# Altium PCB cheriot-test.PcbDoc (part 4 of 10)
Units mil, origin at the board's own origin, x right, y up, seen from the top; angles counter-clockwise.
Board outline 4921.26 x 3149.61 mil, 8 copper layers (Top Layer, Int1 (Sign), Int2 (GND), Int3 (Sign), Int4 (Sign), Int5 (PWR), Int6 (Sign), Bottom Layer), stack 60.424 mil thick; 468 components, 516 nets, 2293 pads, 1328 vias.
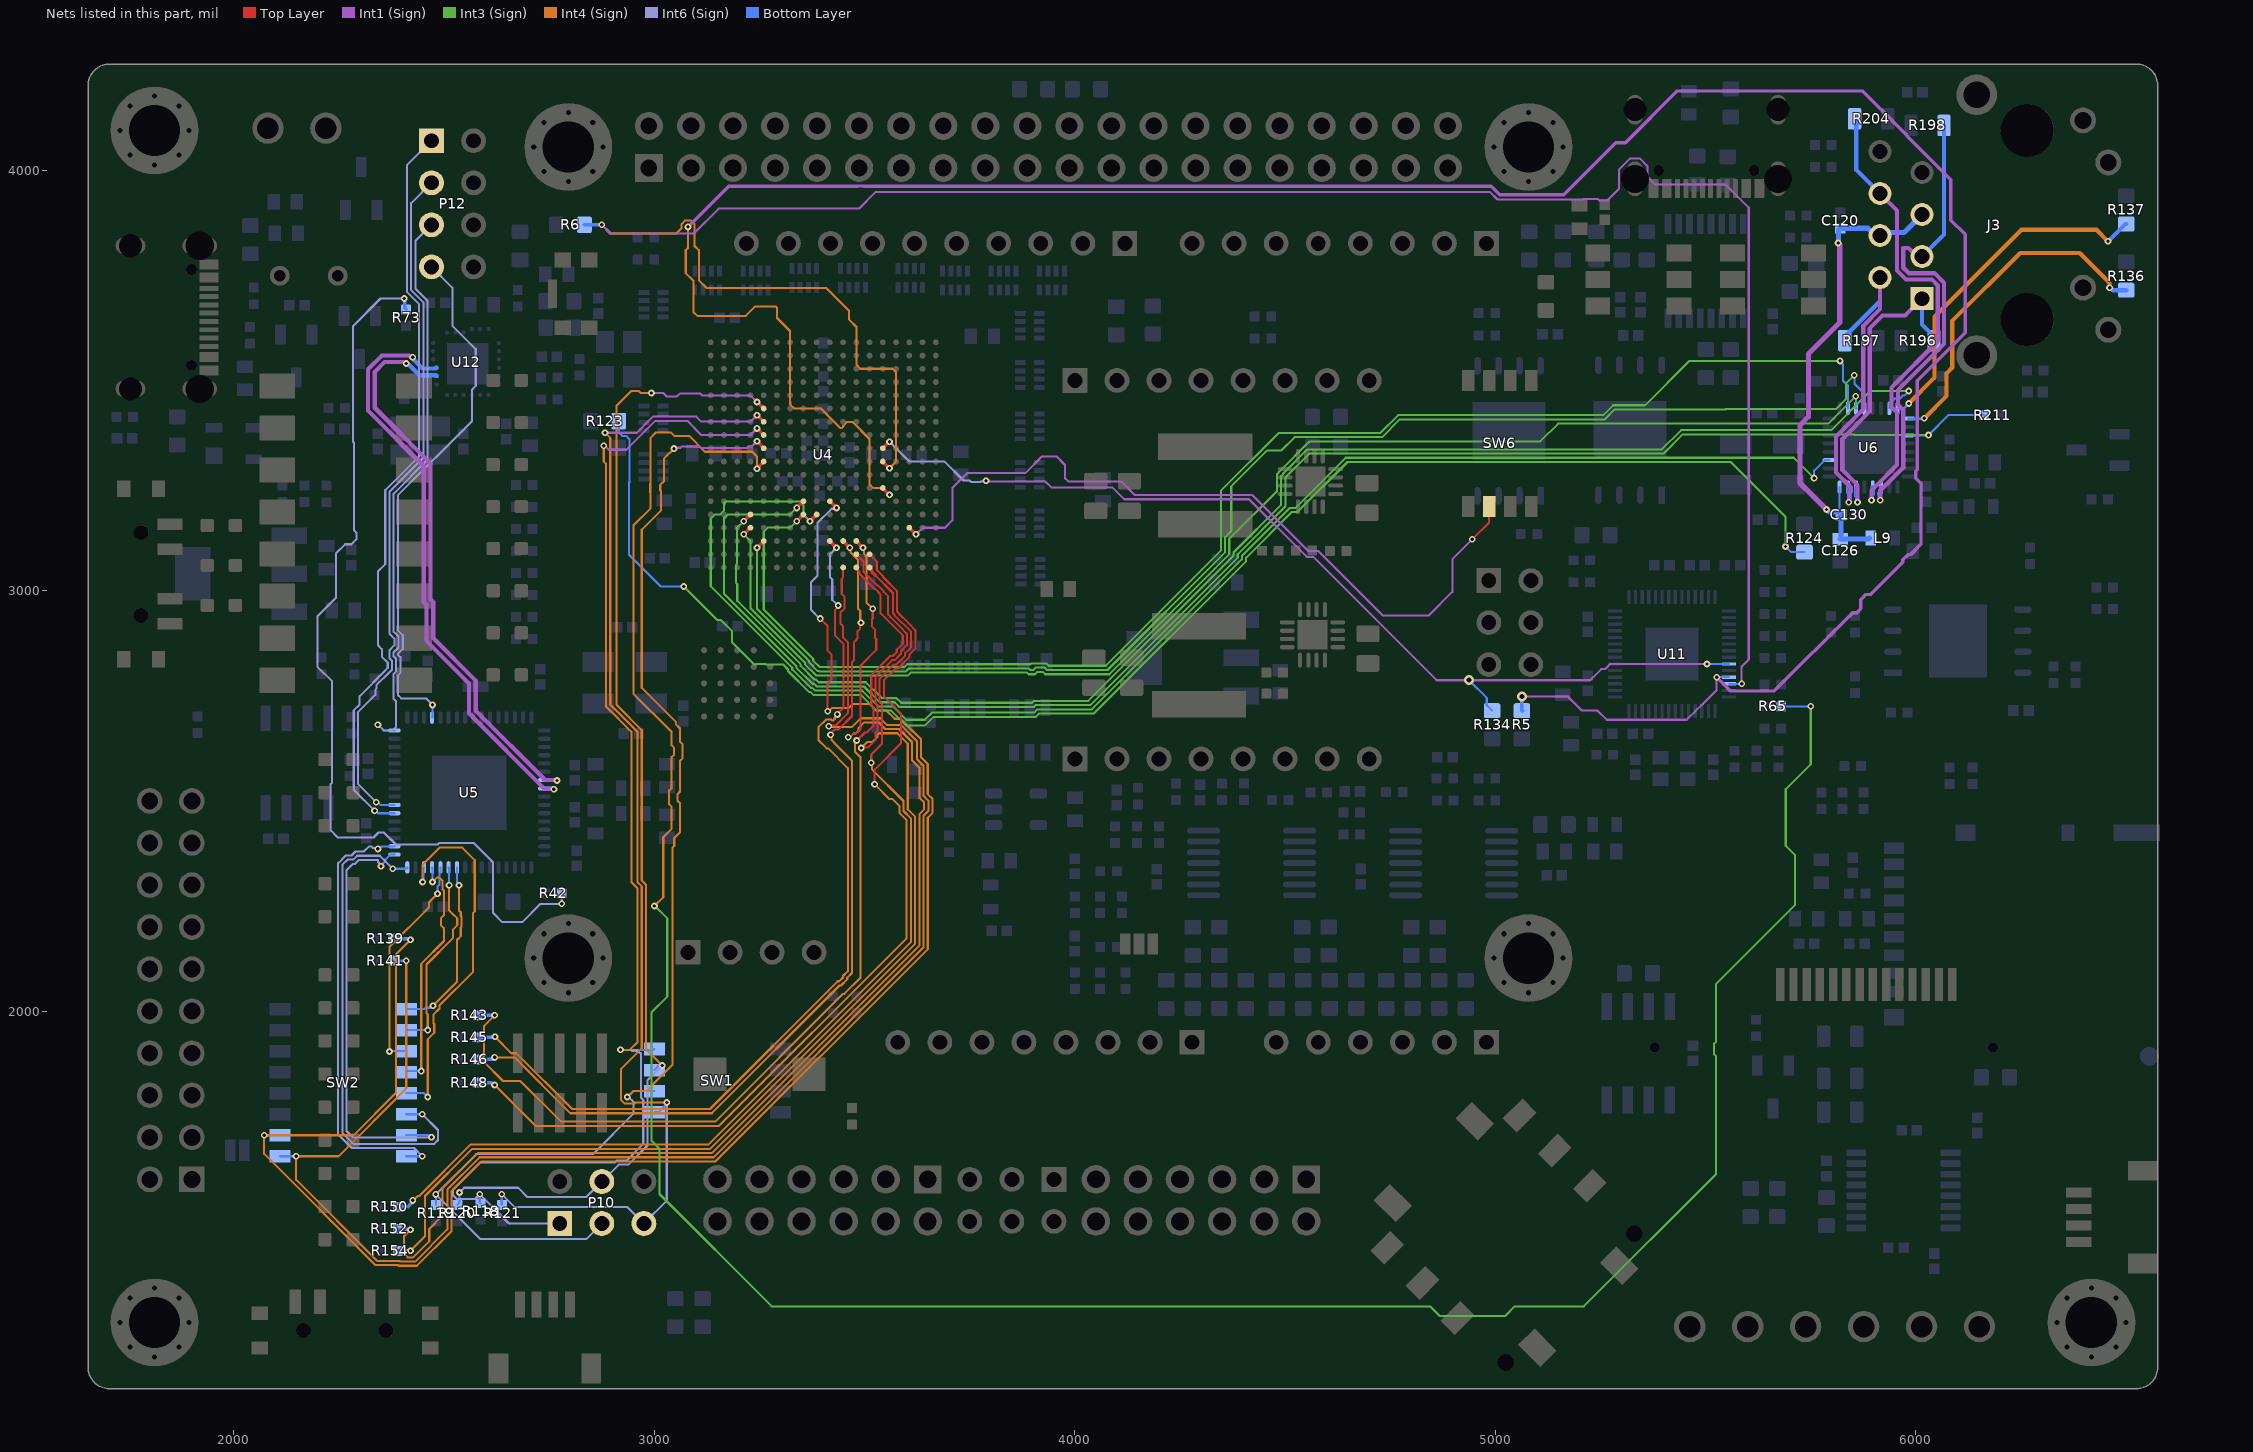
[diagram p10: the nets of this part, all layers, seen from the top]

## Via types
v1: diameter 16, hole 8, Top Layer to Bottom Layer, tented both sides, 1207 vias
v2: diameter 24, hole 12, Top Layer to Bottom Layer, tented both sides, 105 vias
v3: diameter 23.62, hole 11.81, Top Layer to Bottom Layer, tented both sides, 16 vias

## Nets (pads, with @x,y where several pads share a name; then routed paths per layer and width w, separated by ;. In a path a pad name is that pad's centre, name@x,y a point inside that pad or via, vN(x,y) a via of type N, cw(c..) or ccw(c..) an arc to the next point about the centre after c; other vN are vias at no path point) (continued)
CHB_GPIOL2: SW2.7 U5.33 | length 1039.6
  Int6 (Sign) w5: v1(2349.81,2344.81) 2349.81,2347.78 2342.69,2354.9 2342.69,2359.61 2297.37,2359.61 2288.01,2350.26 2283.23,2350.26 2267.96,2335 2267.96,1714.96 2282.93,1700 v1(2470,1700)
  Bottom Layer w5: v1(2349.81,2344.81) 2349.81,2346.63 2359.86,2356.68 2359.86,2360.21 2372.01,2372.36 U5.33@2381.85,2372.36 ; SW2.7@2410,1705 2465,1705 v1(2470,1700)
CHB_GPIOL3: SW2.8 U5.34 | length 1060.5
  Int6 (Sign) w5: v1(2342.52,2385.83) 2340.41,2387.93 2330.81,2387.93 2326.69,2392.05 2321.69,2392.05 2309.26,2379.61 2289.08,2379.61 2279.73,2370.26 2266.12,2370.26 2247.96,2352.11 2247.96,1706.68 2280.14,1674.5 2428.5,1674.5 v1(2448,1655)
  Bottom Layer w5: v1(2342.52,2385.83) 2345.5,2385.83 2351.72,2392.05 U5.34@2381.85,2392.05 ; SW2.8@2410,1655 v1(2448,1655)
CHB_nRST: SW2.5 U5.30 | length 896.6
  Int4 (Sign) w5: v1(2448.82,2307.09) 2448.82,2348.9 2488.92,2389 2543,2389 2572.79,2359.21 2572.79,2237.52 2569,2233.73 2569,2094 2489,2014 2489,2006.28 2474.5,1991.78 2474.5,1971.1 2476.5,1969.1 2476.5,1948.42 2461,1932.92 v1(2461,1796)
  Bottom Layer w5: SW2.5@2410,1805 2452,1805 v1(2461,1796) ; v1(2448.82,2307.09) 2450.81,2309.07 2450.81,2340.92 U5.30@2451.73,2341.85
CHB_nSRST: SW2.6 U5.32 | length 1172.5
  Int6 (Sign) w5: v1(2377.95,2338.58) 2346.92,2369.61 2293.22,2369.61 2283.87,2360.26 2270.26,2360.26 2257.96,2347.96 2257.96,1710.82 2284.29,1684.5 2476.42,1684.5 2485.5,1693.58 2485.5,1717.5 v1(2448,1755)
  Bottom Layer w5: v1(2377.95,2338.58) 2410.13,2338.58 2412.36,2340.82 U5.32@2412.36,2341.85 ; SW2.6@2410,1755 v1(2448,1755)
CHB_TCK: SW2.1 U5.26 | length 428.4
  Int4 (Sign) w5: v1(2473.5,2012.7) 2530.47,2069.67 2530.47,2169.19 2539.62,2178.33 2539.62,2198.69 2541.31,2200.38 2541.31,2224.82 2539.62,2226.51 2539.62,2235.19 2535.43,2239.38 v1(2535.43,2299.21)
  Bottom Layer w5: SW2.1@2410,2005 2453,2005 2456.09,2008.09 2468.9,2008.09 v1(2473.5,2012.7) ; U5.26@2530.47,2341.85 2530.47,2307.15 2535.43,2302.19 v1(2535.43,2299.21)
CHB_TDI: SW2.2 U5.27 | length 478.4
  Int4 (Sign) w5: v1(2461,1955) 2461,1991.99 2458,1994.99 2458,2110.86 2520.79,2173.65 2520.79,2194 2531.31,2204.52 2531.31,2220.68 2519.89,2232.1 2519.14,2232.1 2511.81,2239.43 v1(2511.81,2299.21)
  Bottom Layer w5: SW2.2@2410,1955 v1(2461,1955) ; U5.27@2510.79,2341.85 2511.3,2341.34 2511.3,2299.72 v1(2511.81,2299.21)
CHB_TDO: SW2.3 U5.28 | length 528.4
  Int4 (Sign) w5: v1(2370,1904) 2370,2153 2464.32,2247.32 2464.32,2259.59 v1(2484.25,2279.53)
  Bottom Layer w5: v1(2370,1904) 2371,1905 SW2.3@2410,1905 ; v1(2484.25,2279.53) 2484.25,2296.04 2488.71,2300.5 2488.71,2328.31 2491.1,2330.7 U5.28@2491.1,2341.85
CHB_TMS: SW2.4 U5.29 | length 585.9
  Int4 (Sign) w5: v1(2445.5,1857.46) 2445.5,2112.5 2499.75,2166.75 2499.75,2197.08 2492.31,2204.52 2492.31,2220.68 2499.75,2228.12 2499.75,2285.95 2496.31,2289.39 2496.31,2309.57 2487.69,2318.19 2483.55,2318.19 v1(2472.44,2307.09)
  Bottom Layer w5: SW2.4@2410,1855 2412.46,1857.46 v1(2445.5,1857.46) ; U5.29@2471.42,2341.85 2471.93,2341.34 2471.93,2307.6 v1(2472.44,2307.09)
CHC_RXD: P12.3 U5.39 | length 1648.1
  Int6 (Sign) w5: v1(2338.76,2496.97) 2294.96,2540.77 2294.96,2711.21 2336.31,2752.56 2336.31,2764.35 2339,2767.03 2339,2775.12 2370,2806.12 2370,2806.38 2375.89,2812.27 2375.89,2833.4 2370,2839.29 2370,2858.17 2381.7,2869.88 2381.7,2886.03 2370,2897.73 2370,3235.03 2450.5,3315.53 2450.5,3685.56 2421.47,3714.59 2421.47,3921.47 P12.3@2470,3970
  Bottom Layer w5: v1(2338.76,2496.97) 2341.74,2496.97 2348.24,2490.47 U5.39@2381.85,2490.47
CHC_TXD: P12.1 U5.38 | length 1783.6
  Int6 (Sign) w5: v1(2334.65,2476.38) 2284.96,2526.06 2284.96,2715.35 2299,2729.39 2299,2749.26 2360,2810.26 2360,2810.52 2365.89,2816.41 2365.89,2829.25 2351.92,2843.22 2351.92,2860.66 2342.7,2869.88 2342.7,3045.88 2360,3063.17 2360,3239.17 2440.5,3319.67 2440.5,3681.42 2411.47,3710.45 2411.47,4011.47 P12.1@2470,4070
  Bottom Layer w5: v1(2334.65,2476.38) 2337.62,2476.38 2343.21,2470.79 U5.38@2381.85,2470.79
CHD_RXD: P12.7 U5.52 | length 1275.8
  Int6 (Sign) w5: P12.7@2470,3770 2519.67,3720.33 2519.67,3629.79 2575.09,3574.37 2575.09,3486.92 2566.21,3478.04 2566.21,3402.96 2390,3226.75 2390,2906.02 2401.7,2894.31 2401.7,2861.59 2390,2849.89 2390,2847.57 2395.89,2841.68 2395.89,2803.99 2390,2798.09 2390,2751.8 2397.96,2743.85 2456.94,2743.85 v1(2472.44,2728.35)
  Bottom Layer w5: U5.52@2471.42,2698.15 2471.93,2698.66 2471.93,2727.83 v1(2472.44,2728.35)
CHD_TXD: P12.5 U5.48 | length 1369.4
  Int6 (Sign) w5: v1(2342.52,2681.1) 2355.98,2667.64 2377.07,2667.64 2385.89,2676.46 2385.89,2736.4 2380,2742.3 2380,2802.24 2385.89,2808.13 2385.89,2837.54 2380,2843.43 2380,2854.03 2391.7,2865.73 2391.7,2890.17 2380,2901.88 2380,3230.89 2460.5,3311.39 2460.5,3689.7 2431.47,3718.73 2431.47,3831.47 P12.5@2470,3870
  Bottom Layer w5: v1(2342.52,2681.1) 2355.98,2667.64 U5.48@2381.85,2667.64
CHERIERR0: R139.1 SW2.10 U4.K6 | length 4253.3
  Top Layer w5: v1(3394.2,2933.64) 3411.98,2915.87 3411.98,2857.44 3421.01,2848.41 3421.01,2789.16 3411.98,2780.13 v1(3411.98,2713.44)
  Top Layer w8: U4.K6@3417.32,3212.6 v1(3433.07,3196.85)
  Int4 (Sign) w5: v1(2072,1705) v1@2072.93,1704.07 ; v1(2420,2170) 2385.5,2135.5 2385.5,1805.62 2284.88,1705 2073.86,1705 v1@2072.93,1704.07 ; v1(3411.98,2713.44) 3414.95,2713.44 3422.77,2721.25 3462.82,2721.25 3472.22,2730.65 3512.27,2730.65 3528.22,2714.7 3551.91,2714.7 3571.18,2695.43 3585.42,2695.43 3634.11,2646.75 3634.11,2603.82 3650.01,2587.91 3650.01,2516.09 3661.55,2504.55 3661.55,2471.83 3650.01,2460.29 3650.01,2147.58 3144.95,1642.52 2588.42,1642.52 2517.6,1571.7 2517.6,1477.04 2435.06,1394.5 2391.75,1394.5 2390.25,1396 2336.84,1396 2072,1660.84 2072,1703.14 v1@2072.93,1704.07
  Int6 (Sign) w5: v1(3394.2,2933.64) 3393.13,2933.64 3372.53,2954.24 3372.53,3019.91 3387.57,3034.94 3387.57,3160.78 3421.53,3194.75 3430.97,3194.75 v1(3433.07,3196.85)
  Bottom Layer w5: v1(2072,1705) SW2.10@2110,1705
  Bottom Layer w8: R139.1@2379.68,2172.32 2417.68,2172.32 v1(2420,2170)
CHERIERR1: R141.1 SW2.9 U4.L1 | length 3863.2
  Top Layer w5: v1(3414.53,2677.87) 3416.16,2679.5 3430.88,2679.5 3460,2708.62 3460,2877.14 3448.82,2888.32 3448.82,2915.08 3442.63,2921.28 3442.63,2948.26 3452.51,2958.15 3452.51,2985.13 3445.5,2992.14 3445.5,3028.19 3448.82,3031.51 U4.L1@3448.82,3055.12
  Int4 (Sign) w5: v1(2410,2120) 2410,1815.97 2249.03,1655 v1(2148,1655) 2148,1598.99 2340.99,1406 2394.39,1406 2395.89,1404.5 2430.92,1404.5 2507.6,1481.18 2507.6,1575.84 2584.28,1652.52 3140.81,1652.52 3640.01,2151.73 3640.01,2464.43 3651.55,2475.97 3651.55,2500.41 3640.01,2511.95 3640.01,2583.77 3624.11,2599.67 3624.11,2642.61 3585.72,2681 3552.78,2681 3537.12,2696.66 3490.92,2696.66 3470.26,2676 3416.4,2676 v1(3414.53,2677.87)
  Bottom Layer w5: SW2.9@2110,1655 v1(2148,1655) ; R141.1@2379.68,2120 v1(2410,2120)
CHERIERR2: R143.1 U4.M1 | length 2343
  Top Layer w5: U4.M1@3480.32,3055.12 3480.32,3052.74 3487.42,3045.64 3487.42,3040.94 3524.72,3003.64 3525.99,3003.64 3535.07,2994.56 3535.07,2993.29 3537.99,2990.37 3537.99,2946.26 3590.55,2893.7 3590.55,2874.02 3576.43,2859.89 3576.43,2853.91 3567.35,2844.83 3561.37,2844.83 3515.74,2799.2 3515.74,2727.9 3521,2722.64 3521,2678.79 3505.04,2662.83 3500.8,2662.83 3481.66,2643.69 v1(3480.84,2643.69)
  Int4 (Sign) w5: v1(2620,1990) 2594.5,1964.5 2594.5,1879.44 2639.93,1834.01 2681.42,1834.01 2778.09,1737.34 3144.77,1737.34 3448.54,2041.11 3451.92,2041.11 3490,2079.2 3490,2604.14 3476.63,2617.52 3476.63,2636.5 3480.84,2640.71 v1(3480.84,2643.69)
  Bottom Layer w8: R143.1@2580,1990 v1(2620,1990)
CHERIERR3: R145.1 U4.K3 | length 2214.2
  Top Layer w5: v1(3435.22,2705.75) 3435.22,2707.22 3450,2722 3450,2873 3429.13,2893.87 3429.13,2953.72 3437.01,2961.59 v1(3437.01,2964.57)
  Top Layer w8: U4.K3@3417.32,3118.11 v1(3433.07,3102.36)
  Int4 (Sign) w5: v1(2620.96,1939.04) 2660,1900 2671.59,1900 2804.25,1767.34 3132.34,1767.34 3436.11,2071.11 3439.49,2071.11 3448.57,2080.19 3448.57,2083.57 3460,2095 3460,2578.07 3413.07,2625 3410,2625 3390,2645 3390,2675.26 3408.11,2693.37 3420.95,2693.37 3422.82,2691.5 3425.48,2691.5 3429.01,2695.04 3429.01,2698.04 3435.22,2704.24 v1(3435.22,2705.75)
  Int6 (Sign) w5: v1(3433.07,3102.36) 3417.57,3086.86 3417.57,3032.1 3423.07,3026.6 3423.07,2978.5 v1(3437.01,2964.57)
  Bottom Layer w8: R145.1@2579.68,1937.68 2580.36,1938.36 2620.28,1938.36 v1(2620.96,1939.04)
CHERIERR4: R146.1 U4.L3 | length 2188.8
  Top Layer w5: v1(3419,2657.06) 3419,2660.04 3428.08,2669.12 3428.08,2669.5 3437.5,2669.5 3470,2702 3470,2829.96 3474.5,2834.46 3474.5,2877.51 3480.56,2883.58 3480.56,2884.37 3483.05,2886.86 3483.05,2903.65 3489.16,2909.75 3489.16,2921.69 v1(3491.26,2923.8)
  Top Layer w8: U4.L3@3448.82,3118.11 v1(3464.57,3102.36)
  Int4 (Sign) w5: v1(2620,1890) 2667.45,1890 2800.11,1757.34 3136.49,1757.34 3440.26,2061.11 3443.63,2061.11 3458.57,2076.05 3458.57,2079.43 3470,2090.86 3470,2595.86 3428.08,2637.78 3428.08,2638.5 3421.1,2645.48 3421.1,2654.96 v1(3419,2657.06) ; v1(3464.57,3102.36) 3466.67,3100.26 3466.67,3090.68 3484.5,3072.86 3484.5,3011.88 3484.07,3011.45 3484.07,2957.41 3489.63,2951.85 3489.63,2925.43 v1(3491.26,2923.8)
  Bottom Layer w8: R146.1@2580,1885.37 2615.37,1885.37 v1(2620,1890)
CHERIERR5: R148.1 U4.N2 | length 2319.5
  Top Layer w5: U4.N2@3511.81,3086.61 3528.92,3069.51 3528.92,3049.16 3543.56,3034.52 3543.56,3032.4 3577.4,2998.56 3577.4,2950.89 3580.67,2947.61 3580.67,2946.01 3604.56,2922.12 3620.55,2906.13 3620.55,2861.59 3606.43,2847.47 3606.43,2841.49 3579.77,2814.83 3573.79,2814.83 3545.74,2786.78 3545.74,2748.67 3586.7,2707.72 3586.7,2637.59 3523.62,2574.52 v1(3523.62,2539.55)
  Int4 (Sign) w5: v1(2620,1824.5) 2717.16,1727.34 3153.76,1727.34 3600.01,2173.59 3600.01,2454.36 3582.55,2471.83 3582.55,2488.32 3566.71,2504.15 3559.02,2504.15 v1(3523.62,2539.55)
  Bottom Layer w8: R148.1@2579.68,1830 2612.34,1830 2617.84,1824.5 v1(2620,1824.5)
CHERIERR6: R150.1 U4.N1 | length 2501.1
  Top Layer w5: v1(3515.75,2590.55) 3515.75,2610.24 3541,2635.49 3541,2674 3541,2730.92 3535.74,2736.18 3535.74,2790.92 3569.65,2824.83 3575.63,2824.83 3596.43,2845.63 3596.43,2851.61 3610.55,2865.73 3610.55,2901.98 3570.67,2941.86 3570.67,2943.47 3567.4,2946.75 3567.4,2994.41 3525,3036.81
  Top Layer w8: U4.N1@3511.81,3055.12 3511.81,3053.55 3517.42,3047.95 3517.42,3044.39 3525,3036.81
  Int4 (Sign) w5: v1(2425.5,1550) 2426.46,1550 2436.94,1560.48 2440.48,1560.48 2562.52,1682.52 3128.38,1682.52 3610.01,2164.15 3610.01,2458.51 3592.55,2475.97 3592.55,2499.71 3517.2,2575.05 3517.2,2589.1 v1(3515.75,2590.55)
  Bottom Layer w8: R150.1@2389.68,1534.63 2413.5,1534.63 2423.97,1545.11 2423.97,1548.47 v1(2425.5,1550)
CHERIERR7: R152.1 U4.M3 | length 2896.7
  Top Layer w5: v1(3461.24,2651.24) 3464.21,2651.24 3473.69,2660.72 3479.72,2660.72 3490,2671 3490,2821.68 3527.62,2859.3 3527.62,2884.36 3524.22,2887.76 3524.22,2907.96 3517.72,2914.46 3517.72,2932.62 3519.27,2934.17 v1(3519.27,2957.14)
  Top Layer w8: U4.M3@3480.32,3118.11 v1(3496.06,3102.36)
  Int4 (Sign) w5: v1(2420,1480) 2404.5,1464.5 2404.5,1423.58 2413.58,1414.5 2426.42,1414.5 2464.5,1452.58 2464.5,1481.92 2495.78,1513.2 2495.78,1578.16 2580.14,1662.52 3136.67,1662.52 3630.01,2155.87 3630.01,2468.57 3641.55,2480.11 3641.55,2496.27 3630.01,2507.8 3630.01,2579.63 3612.55,2597.09 3612.55,2640.03 3581.57,2671 3548.64,2671 3532.98,2686.66 3499.39,2686.66 3485.25,2672.52 3485.25,2666.25 3479.72,2660.72 3473.69,2660.72 3464.21,2651.24 v1(3461.24,2651.24) ; v1(3496.06,3102.36) 3498.17,3100.26 3498.17,3087.47 3504.5,3081.14 3504.5,3003.6 3504.07,3003.17 3504.07,2971.93 3518.86,2957.14 v1(3519.27,2957.14)
  Bottom Layer w8: R152.1@2389.68,1482.32 2390.84,1481.16 2418.84,1481.16 v1(2420,1480)
CHERIERR8: R154.1 U4.M2 | length 2782.5
  Top Layer w5: U4.M2@3480.32,3086.61 3497.42,3069.51 3497.42,3045.08 3528.86,3013.64 3530.13,3013.64 3545.07,2998.7 3545.07,2997.43 3556,2986.5 3556,2944 3560.67,2939.33 3560.67,2937.72 3584.56,2913.84 3600.55,2897.84 3600.55,2869.87 3586.43,2855.75 3586.43,2849.77 3571.49,2834.83 3565.51,2834.83 3525.74,2795.06 3525.74,2732.04 3531,2726.78 3531,2667.11 3526.21,2662.32 3526.21,2645.27 3507.63,2626.69 3492.83,2626.69 v1(3492.13,2625.98)
  Int4 (Sign) w5: v1(2420,1430) 2454.5,1464.5 2454.5,1560.36 2566.67,1672.52 3132.52,1672.52 3620.01,2160.01 3620.01,2462.65 3602.55,2480.11 3602.55,2635.88 3577.43,2661 3534.02,2661 3530.89,2657.87 3530.89,2652.93 3518.47,2640.51 3506.65,2640.51 v1(3492.13,2625.98)
  Bottom Layer w8: R154.1@2390,1430 v1(2420,1430)
ETHAVCC: C120.1 C126.1 C130.1 J3.4 J3.5 L9.2 U6.16 | length 1187.5
  Int1 (Sign) w12: v1(5787.4,3192.91) 5724.41,3255.91 5724.41,3393.7 5744.09,3413.39 5744.09,3562.99 5818.9,3637.8 5818.9,3822.83 v1(5814.96,3826.77)
  Bottom Layer w5: C130.1@5815,3190 5818.66,3193.66 U6.16@5818.66,3246.49
  Bottom Layer w12: v1(5787.4,3192.91) 5793.72,3186.6 5815.29,3186.6 C130.1@5821.89,3180 5821.89,3124.45 C126.1@5820,3122.56 5887.56,3122.56 L9.2@5890,3125 ; v1(5814.96,3826.77) 5815.73,3827.54 5815.73,3857.62 C120.1@5820,3861.89 5885.6,3861.89 5903.01,3844.49 J3.4@5914.57,3844.49 5921.49,3851.41 5971.49,3851.41 J3.5@6014.57,3894.49
ETHCLK: R123.2 R124.1 | length 3711.8
  Int3 (Sign) w5: v1(3069.72,3010) 3149.48,2930.24 3158.12,2930.24 3184.93,2903.43 3184.93,2876.64 3237.28,2824.29 3241.46,2824.29 3242.84,2825.66 3263.96,2825.66 3265.33,2824.29 3306.06,2824.29 3317.78,2812.57 3317.78,2808.81 3367.86,2758.72 3371.63,2758.72 3378.09,2752.25 3490.32,2752.25 3527.87,2714.7 3562.92,2714.7 3598.62,2679 3643.2,2679 3664.2,2700 3907.21,2700 3915,2707.79 4044.61,2707.79 4407.17,3070.35 4407.17,3078.41 4515.74,3186.98 4529.21,3186.98 4648.23,3306 5560,3306 5690,3176 v1(5690,3105)
  Bottom Layer w5: R123.2@2915.35,3403 2915.35,3375.81 2923.2,3367.97 2932.73,3367.97 2940.57,3360.13 2940.57,3257.49 2939.5,3256.42 2939.5,3085.44 3014.94,3010 v1(3069.72,3010) ; v1(5690,3105) 5703.46,3091.54 R124.1@5735,3091.54
ETHMAC_CIPO: U4.D4 U6.27 | length 3258.9
  Top Layer w8: v1(3212.6,3133.86) U4.D4@3228.35,3149.61
  Int3 (Sign) w5: v1(3212.6,3133.86) 3228.59,3117.86 3228.59,2958.32 3357.78,2829.14 3357.78,2825.37 3384.43,2798.72 3388.19,2798.72 3388.89,2798.03 3602.61,2798.03 3609.58,2805 3886.42,2805 3890.09,2801.33 3905.4,2801.33 3910.9,2806.84 3923.74,2806.84 3929.25,2801.33 4081.58,2801.33 4367.17,3086.92 4367.17,3123.08 4480.5,3236.41 4480.5,3276.33 4484.56,3280.38 4484.56,3281.74 4557.82,3355 5106.93,3355 5149.23,3397.31 5791.89,3397.31 v1(5857,3462.41)
  Bottom Layer w5: v1(5857,3462.41) 5857.52,3461.9 5857.52,3434.03 U6.27@5858.03,3433.51
ETHMAC_COPI: U4.D5 U6.31 | length 3532
  Top Layer w8: v1(3212.6,3165.35) U4.D5@3228.35,3181.1
  Int3 (Sign) w5: v1(3212.6,3165.35) 3196.6,3149.36 3196.6,3063.58 3193.75,3060.73 3193.75,3018.51 3197.1,3015.17 3197.1,2975.68 3347.78,2825 3347.78,2821.23 3380.29,2788.72 3384.05,2788.72 3390.52,2782.25 3502.75,2782.25 3540.3,2744.7 3575.35,2744.7 3586.71,2733.34 3898.12,2733.34 3902.57,2737.79 4032.18,2737.79 4377.17,3082.78 4377.17,3090.83 4490.5,3204.16 4490.5,3272.19 4494.56,3276.24 4494.56,3277.59 4552.96,3336 5395.73,3336 5441.53,3381.8 5798.31,3381.8 5891.28,3474.77 v1(5983,3474.77)
  Bottom Layer w5: U6.31@5936.77,3433.51 5936.77,3444.7 5948.98,3456.91 5961.91,3456.91 5968.66,3463.66 5971.89,3463.66 v1(5983,3474.77)
ETHMAC_CS: U4.H5 U6.26 | length 3425.1
  Top Layer w8: v1(3338.58,3165.35) U4.H5@3354.33,3181.1
  Int3 (Sign) w5: v1(3338.58,3165.35) 3323.08,3149.85 3269.67,3149.85 3260.09,3140.28 3260.09,2955.11 3377.78,2837.42 3377.78,2833.66 3392.71,2818.72 3396.48,2818.72 3397.17,2818.03 3594.32,2818.03 3601.3,2825 3894.7,2825 3896.54,2826.84 3932.03,2826.84 3937.53,2821.33 4073.3,2821.33 4347.17,3095.2 4347.17,3237.56 4484.61,3375 4726.36,3375 4768.67,3417.31 5256.41,3417.31 5280.1,3441 5356.1,3441 5461.51,3546.41 v1(5819.56,3546.41)
  Bottom Layer w5: v1(5819.56,3546.41) 5819.56,3545.19 5826.77,3537.98 5826.77,3499.63 5838.35,3488.05 U6.26@5838.35,3433.51
ETHMAC_INTR: R211.2 U4.H6 U6.3 | length 3877.5
  Top Layer w8: v1(3338.58,3196.85) U4.H6@3354.33,3212.6
  Int3 (Sign) w5: v1(3338.58,3196.85) 3323.08,3181.35 3175.18,3181.35 3165.6,3171.77 3165.6,2993.03 3337.78,2820.86 3337.78,2817.09 3376.15,2778.72 3379.91,2778.72 3386.38,2772.25 3498.6,2772.25 3536.15,2734.7 3571.2,2734.7 3582.57,2723.34 3902.26,2723.34 3906.71,2727.79 4036.33,2727.79 4387.17,3078.63 4387.17,3086.69 4500.5,3200.02 4500.5,3268.04 4504.56,3272.1 4504.56,3273.45 4557.1,3326 5399.87,3326 5445.67,3371.8 5852.88,3371.8 5854.68,3370 v1(6030,3370)
  Bottom Layer w5: U6.3@5981.07,3369.53 6029.53,3369.53 v1(6030,3370) 6077.32,3417.32 R211.2@6161.42,3417.32
ETHMAC_LED0: R136.1 U6.1 | length 822.6
  Int4 (Sign) w10: v1(6020,3410) 6073,3463 6073,3516.79 6086.26,3530.05 6086.26,3641.38 6248.03,3803.15 6389.76,3803.15 6460.63,3732.28 v1(6460.63,3720.47)
  Bottom Layer w5: U6.1@5981.07,3408.9 6018.9,3408.9 v1(6020,3410)
  Bottom Layer w10: v1(6460.63,3720.47) 6462.25,3720.47 6468.16,3714.57 R136.1@6500,3714.57
ETHMAC_LED1: R137.1 U6.32 | length 833
  Int4 (Sign) w10: v1(5983,3445) 6044.5,3506.5 6044.5,3651.5 6251.27,3858.27 6429.13,3858.27 v1(6456.69,3830.71)
  Bottom Layer w5: U6.32@5956.46,3433.51 5968.51,3433.51 5968.77,3433.77 5971.77,3433.77 v1(5983,3445)
  Bottom Layer w10: v1(6456.69,3830.71) 6498.03,3872.05 R137.1@6500,3872.05
ETHMAC_RST: U4.J5 U6.19 | length 3583.8
  Top Layer w8: v1(3370.08,3165.35) U4.J5@3385.83,3181.1
  Int3 (Sign) w5: v1(3370.08,3165.35) 3354.58,3180.85 3354.58,3202.77 3345,3212.35 3168.96,3212.35 3166.03,3209.42 3166.03,3204.19 3165.11,3203.27 3165.11,3190.43 3155.53,3180.85 3143.19,3180.85 3134.11,3171.77 3134.11,3010.38 3327.78,2816.71 3327.78,2812.95 3372,2768.72 3375.77,2768.72 3382.24,2762.25 3494.46,2762.25 3532.01,2724.7 3567.06,2724.7 3598.73,2693.03 3643.09,2693.03 3660.06,2710 3903.07,2710 3910.86,2717.79 4040.47,2717.79 4397.17,3074.49 4397.17,3082.55 4511.6,3196.98 4525.07,3196.98 4644.09,3316 5709.59,3316 v1(5757.87,3267.72)
  Bottom Layer w5: v1(5757.87,3267.72) 5757.87,3285.49 5782.85,3310.47 U6.19@5794.05,3310.47
ETHMAC_RX_N: J3.6 R204.2 U6.12 | length 1133.6
  Int1 (Sign) w10: v1(5894.24,3215) 5894.24,3238.38 5955,3299.14 5955,3423.33 5942.07,3436.26 5942.07,3483.28 6051.93,3593.14 6051.93,3725.99 6037.92,3740 5976.72,3740 5955,3761.72 5955,3904.05 J3.6@5914.57,3944.49
  Bottom Layer w10: R204.2@5854.33,4122.05 5858.27,4118.11 5858.27,4000.79 J3.6@5914.57,3944.49 ; v1(5894.24,3215) 5895.39,3216.15 5895.39,3228.15 5897.24,3230 5897.24,3246.33 U6.12@5897.4,3246.49
ETHMAC_RX_P: J3.3 R198.2 U6.11 | length 1170.8
  Int1 (Sign) w10: v1(5915.24,3215) 5915.24,3238.17 5970,3292.93 5970,3429.54 5957.07,3442.47 5957.07,3477.07 6066.93,3586.93 6066.93,3732.21 6044.13,3755 5982.93,3755 5970,3767.93 5970,3815 5981.95,3815 6002.46,3794.49 J3.3@6014.57,3794.49
  Bottom Layer w10: v1(5915.24,3215) 5914.09,3216.15 5914.09,3228.15 5912.24,3230 5912.24,3231.03 5917.09,3235.88 U6.11@5917.09,3246.49 ; J3.3@6014.57,3794.49 6066.93,3846.85 R198.2@6066.93,4106.3
ETHMAC_SCLK: U4.E3 U6.28 | length 3334.4
  Top Layer w8: v1(3244.09,3102.36) U4.E3@3259.84,3118.11
  Int3 (Sign) w5: v1(3244.09,3102.36) 3244.09,2956.96 3367.78,2833.28 3367.78,2829.52 3388.57,2808.72 3392.34,2808.72 3393.03,2808.03 3598.47,2808.03 3605.44,2815 3890.56,2815 3894.23,2811.33 3901.25,2811.33 3906.76,2816.84 3927.89,2816.84 3933.39,2811.33 4077.44,2811.33 4357.17,3091.06 4357.17,3127.22 4371.9,3141.95 4371.9,3248.15 4457.46,3333.71 4491.19,3333.71 4522.48,3365 4730.5,3365 4772.81,3407.31 5260.55,3407.31 5284.25,3431 5546.71,3431 5547.81,3432.1 5810.27,3432.1 5834.16,3455.99 5834.16,3493.01 v1(5853.56,3512.41)
  Bottom Layer w5: v1(5853.56,3512.41) 5853.56,3492.53 5877.72,3468.37 U6.28@5877.72,3433.51
ETHMAC_TX_N: J3.2 R197.2 U6.15 | length 818.8
  Int1 (Sign) w10: v1(5840.19,3210) 5841.34,3211.15 5841.34,3232.19 5845,3235.86 5845,3245.86 5810,3280.86 5810,3367.07 5875,3432.07 5875,3630 5914.57,3669.57 J3.2@5914.57,3744.49
  Bottom Layer w10: R197.2@5830.71,3594.49 5830.71,3604.33 5914.57,3688.19 J3.2@5914.57,3744.49 ; U6.15@5838.35,3246.49 5838.35,3235.88 5843.19,3231.03 5843.19,3225 5841.34,3223.15 5841.34,3211.15 v1(5840.19,3210)
ETHMAC_TX_P: J3.1 R196.2 U6.14 | length 759.3
  Int1 (Sign) w10: v1(5861.19,3210) 5861.19,3250.88 5825,3287.07 5825,3360.86 5890,3425.86 5890,3623.79 5920.61,3654.39 5974.47,3654.39 J3.1@6014.57,3694.49
  Bottom Layer w10: U6.14@5858.03,3246.49 5858.19,3246.33 5858.19,3225 5860.04,3223.15 5860.04,3211.15 v1(5861.19,3210) ; J3.1@6014.57,3694.49 6014.57,3633.07 6043.31,3604.33 R196.2@6043.31,3594.49
FPGA_CCLK: R65.1 U4.E9 | length 6323.2
  Top Layer w8: v1(3244.09,3290.13) 3244.09,3290.74 3259.84,3306.48 U4.E9@3259.84,3307.09
  Int3 (Sign) w5: v1(3000,2250) 3001.06,2250 3030.5,2220.56 3030.5,2034.51 2993.29,1997.3 2993.29,1691.71 3012.03,1672.97 3012.03,1565.14 3279.01,1298.16 4844.41,1298.16 4867.57,1275 5023.28,1275 5046.44,1298.16 5210.38,1298.16 5525,1612.78 5525,1892.57 5520,1897.57 5520,1922.43 5525,1927.43 5525,2064.89 5712.91,2252.81 5712.91,2370.69 5690.52,2393.08 5690.52,2527.81 5750,2587.29 v1(5750,2725)
  Int4 (Sign) w5: v1(3000,2250) 3021,2271 3021,2413.78 3041,2433.78 3041,2485.82 3034.98,2491.84 3034.98,2524.56 3041,2530.58 3041,2603.97 3047.06,2610.03 3047.06,2626.19 3041,2632.25 3041,2664 2950,2755 2950,3155 2991.01,3196.01 2991.01,3232.77 2990.25,3233.53 2990.25,3254.66 2991.01,3255.42 2991.01,3363.46 3003.94,3376.39 3039.04,3376.39 3047.41,3368.02 3082.5,3368.02 3120.14,3330.38 3232.61,3330.38 3244.09,3318.9 v1(3244.09,3290.13)
  Bottom Layer w5: R65.1@5679.69,2724.63 5749.63,2724.63 v1(5750,2725)
FPGA_DONE: R134.2 U4.P10 U11.9 | length 2368.7
  Top Layer w8: U4.P10@3543.31,3338.58 v1(3559.06,3354.33)
  Int1 (Sign) w5: v1(3788.61,3261.5) 3790.69,3259.42 3930.16,3259.42 3944.08,3245.5 4089.14,3245.5 4117.17,3217.48 4414.05,3217.48 4551.03,3080.5 4567.08,3080.5 4860.59,2786.99 4937.01,2786.99 5225.26,2786.99 5251.77,2813.5 5260.72,2813.5 5272.96,2825.74 v1(5503.08,2825.74)
  Int6 (Sign) w5: v1(3559.06,3354.33) 3606.55,3306.84 3690.26,3306.84 3735.22,3261.88 3749.3,3261.88 3753.22,3257.96 3774.34,3257.96 3775.78,3259.4 3786.5,3259.4 v1(3788.61,3261.5)
  Bottom Layer w5: v2(4937.01,2787.4) 4979.37,2745.04 4979.37,2727.32 R134.2@4992.13,2714.57 ; v1(5503.08,2825.74) U11.9@5555.83,2825.74
FPGA_INITB: R5.2 U4.P7 U11.11 | length 6541.8
  Top Layer w8: U4.P7@3543.31,3244.09 v1(3559.06,3228.35)
  Int1 (Sign) w5: v2(5062.99,2748.03) 5172.73,2748.03 5205.76,2715 5242.3,2715 5264.38,2692.91 5455.16,2692.91 5526.09,2763.85 v1(5526.09,2794.25)
  Int1 (Sign) w8: v1(3080,3865) 3177,3962 3482.48,3962 3482.96,3962.48 3497.04,3962.48 3497.52,3962 4989.57,3962 5009.78,3941.79 5162.48,3941.79 5285.75,4065.06 5309.37,4065.06 5432.64,4188.33 5872.15,4188.33 6083,3977.48 6083,3881.04 6117,3847.04 6117,3612.89 6003,3498.89 6003,3287.6 6000.03,3284.63 6000.03,3267.23 6012,3255.25 6012,3110.03 5987.97,3086 5981.3,3086 5969,3073.7 5969,3067.03 5892.97,2991 5881.3,2991 5869,2978.7 5869,2957.46 5859.04,2947.5 5849.46,2947.5 5663.46,2761.5 5558.84,2761.5 v1(5526.09,2794.25)
  Int4 (Sign) w5: v1(3080,3865) 3080,3814.76 3074.66,3809.42 3074.66,3755.19 3093.16,3736.7 3093.16,3662.51 3102.24,3653.43 3217.43,3653.43 3239.94,3675.94 3288.47,3675.94 3291.59,3672.82 3291.59,3648.58 3322.59,3617.58 3322.59,3449.07 3323.08,3448.57 3323.08,3442.4 3332.41,3433.07 3395.4,3433.07 3441.64,3386.84 3445.78,3386.84 3449.07,3390.13 3449.07,3392.25 3458.15,3401.33 3470.99,3401.33 3511.56,3360.75 3511.56,3252.46 3519.68,3244.34 3543.06,3244.34 v1(3559.06,3228.35)
  Bottom Layer w5: v1(5526.09,2794.25) U11.11@5555.83,2794.25
  Bottom Layer w8: v1@3078.47,3866.53 v1(3080,3865) ; v2(5062.99,2748.03) R5.2@5062.99,2714.57 R5.2@5064.96,2714.57
FPGA_PGMB: R6.2 U4.P9 U11.12 | length 5399.4
  Top Layer w8: U4.P9@3543.31,3307.09 v1(3559.06,3291.34)
  Int1 (Sign) w5: v1(2875,3870) 2895.69,3849.31 3034.01,3849.31 3034.2,3849.5 3093.71,3849.5 3152.65,3908.44 3486.52,3908.44 3526.58,3948.5 4986.81,3948.5 5005.02,3930.29 5191.74,3930.29 5191.92,3930.11 5208.08,3930.11 5209.67,3931.7 5243.55,3931.7 5247.04,3928.21 5266.42,3928.21 5293.52,3955.31 5293.52,4001.06 5320.63,4028.17 5343.15,4028.17 5361.76,4009.56 5361.76,3984.11 5380.36,3965.5 5547.88,3965.5 5602.36,3911.02 5602.36,2836.37 5585.56,2819.57 v1(5585.56,2778.5)
  Int4 (Sign) w5: v1(2875,3870) 2895.69,3849.31 3052.39,3849.31 3064.5,3861.42 3064.5,3871.42 3073.58,3880.5 3086.42,3880.5 3095.5,3871.42 3095.5,3819.58 3105.66,3809.42 3105.66,3738.34 3124,3720 3408,3720 3463,3665 3463,3644.43 3480.56,3626.87 3480.56,3581.88 3480.56,3536.89 3489.64,3527.81 3566.68,3527.81 3574.56,3519.93 3574.56,3306.84 v1(3559.06,3291.34)
  Bottom Layer w5: U11.12@5555.83,2778.5 v1(5585.56,2778.5)
  Bottom Layer w8: R6.2@2833.46,3870 v1(2875,3870)
FPGA_TCK: P10.3 R119.2 SW1.6 U4.E10 | length 3070.4
  Top Layer w8: v1(3244.09,3355.54) 3244.09,3354.93 3259.84,3339.18 U4.E10@3259.84,3338.58
  Int1 (Sign) w5: v1(3046.49,3337.83) 3048.6,3339.94 3061.91,3339.94 3064.49,3342.52 3108,3342.52 3111.69,3338.83 3219.02,3338.83 3222.71,3342.52 3231.08,3342.52 v1(3244.09,3355.54)
  Int4 (Sign) w5: v1(2935.76,1795.76) 2950,1810 2980,1810 3042.97,1872.97 3042.97,2388.83 3047.32,2393.18 3047.32,2411.82 3061,2425.5 3061,2494.1 3054.98,2500.12 3054.98,2516.27 3061,2522.29 3061,2595.69 3067.06,2601.75 3067.06,2634.47 3061,2640.53 3061,2672.28 3051,2682.28 3051,2688.14 2970,2769.14 2970,3145 3016,3191 3016,3236.52 3013.9,3238.61 3013.9,3251.45 3023.19,3260.74 3023.19,3314.53 v1(3046.49,3337.83)
  Int6 (Sign) w5: P10.3@2875,1495 2837.97,1457.97 2586.52,1457.97 v1(2480.28,1564.22) 2480,1564.5 2480.56,1564.5 2576.06,1660 2854.14,1660 2950,1755.86 2950,1784.54 2946.46,1788.08 2946.41,1788.08 2938.74,1795.76 v1(2935.76,1795.76)
  Bottom Layer w5: R119.2@2480.32,1539.37 R119.2@2480.32,1539.37 v1(2480.28,1564.22) ; v1(2935.76,1795.76) 2950,1810 SW1.6@3000,1810
FPGA_TDI: P10.1 R118.2 SW1.8 U4.E11 | length 3121.5
  Top Layer w5: v1@2584.63,1557.53 v1(2584.63,1564.5)
  Top Layer w8: v1(3244.09,3385.83) U4.E11@3259.84,3370.08
  Int1 (Sign) w5: v1(2879.5,3344.65) 2881.77,3344.65 2891.42,3335 2933.43,3335 3002.25,3403.83 3078.72,3403.83 3095.21,3387.34 3095.21,3386.81 3111.69,3370.33 3228.59,3370.33 v1(3244.09,3385.83)
  Int4 (Sign) w5: v1(2879.5,3344.65) 2879.5,3306.92 2885,3301.42 2885,2725 2945.36,2664.64 2945.36,2307.22 2960,2292.57 2960,1926.38 2941.57,1907.95 v1(2919.5,1907.95)
  Int6 (Sign) w5: P10.1@2775,1495 2654.13,1495 v1(2584.63,1564.5) 2573.51,1553.37 2530.27,1553.37 2521.19,1562.45 2521.19,1575.29 2585.9,1640 2905.86,1640 2910.86,1645 2933.92,1645 2973.5,1684.58 2973.5,1788.66 2968.04,1794.12 2968.04,1900.98 2964.73,1900.98 2959.87,1905.84 2946.6,1905.84 2944.5,1907.95 v1(2919.5,1907.95)
  Bottom Layer w5: v1(2584.63,1564.5) 2584.63,1545.29 R118.2@2586.61,1543.31 ; v1(2919.5,1907.95) 2997.95,1907.95 SW1.8@3000,1910
FPGA_TDO: P10.4 R120.2 SW1.7 U4.E13 | length 2775.9
  Top Layer w5: v1@2536.69,1565.89 v1(2536.69,1568.87)
  Top Layer w8: v1(3244.09,3448.82) U4.E13@3259.84,3433.07
  Int1 (Sign) w5: v1(2992.87,3470) 3020.85,3470 3028.85,3462 3053.86,3462 3061.15,3469.3 3108.41,3469.3 3113.14,3464.57 3228.35,3464.57 v1(3244.09,3448.82)
  Int4 (Sign) w5: v1(2992.87,3470) 2967.93,3470 2962.95,3474.98 2945.37,3474.98 2910,3439.61 2910,2728.28 2970,2668.28 2970,2310.86 2980,2300.86 2980,1909.5 v1(3018.79,1870.71)
  Int6 (Sign) w5: v1(2536.69,1568.87) 2547.82,1580 2676.06,1580 2698.08,1557.97 2837.97,1557.97 2915,1635 2938.06,1635 2983.5,1680.44 2983.5,1835.42 v1(3018.79,1870.71)
  Bottom Layer w5: R120.2@2531.5,1539.37 2536.69,1544.56 v1(2536.69,1568.87) ; SW1.7@3000,1860 3010.71,1870.71 v1(3018.79,1870.71)
FPGA_TMS: P10.5 R121.2 SW1.5 U4.E12 | length 2918.8
  Top Layer w5: v1@2636.95,1557.53 v1(2636.95,1564.5)
  Top Layer w8: v1(3244.09,3417.32) U4.E12@3259.84,3401.57
  Int1 (Sign) w5: v1(2882.57,3375.65) 2958.32,3375.65 2996.51,3413.83 3099.68,3413.83 3111.69,3401.82 3228.59,3401.82 v1(3244.09,3417.32)
  Int4 (Sign) w5: v1(2882.57,3375.65) 2895,3363.22 2895,2729.14 2960,2664.14 2960,2306.72 2970,2296.72 2970,1911.53 2920.26,1861.79 2920.26,1789.34 2929.34,1780.26 2952.65,1780.26 2955.24,1782.84 v1(3029.5,1782.84)
  Int6 (Sign) w5: v1(2636.95,1564.5) 2667.58,1533.87 2936.13,1533.87 P10.5@2975,1495 3029.5,1549.5 v1(3029.5,1782.84)
  Bottom Layer w5: v1(2636.95,1564.5) 2636.95,1540.22 R121.2@2637.8,1539.37 ; SW1.5@3000,1760 3010.04,1760 3027.4,1777.36 3027.4,1780.74 v1(3029.5,1782.84)
FPGAIO_TURBO: SW6.2 U4.T4 | length 1856.7
  Top Layer w5: v1(4944.88,3122.05) 4985,3162.17 SW6.2@4985,3200
  Top Layer w8: U4.T4@3606.3,3149.61 v1(3622.05,3133.86)
  Int1 (Sign) w5: v1(3622.05,3133.86) 3637.8,3149.61 3691.21,3149.61 3708.66,3167.06 3708.66,3244.09 3744.09,3279.53 3881.89,3279.53 3921.28,3318.92 3956.43,3318.92 3976.38,3298.97 3976.38,3267.72 3984.25,3259.84 4110.24,3259.84 4142.6,3227.48 4422.13,3227.48 4555.12,3094.49 4578.74,3094.49 4732.28,2940.94 4841.24,2940.94 4897.64,2997.35 4897.64,3074.8 v1(4944.88,3122.05)
FTDI_N: U5.7 U12.2 | length 1367.7
  Int1 (Sign) w10: v1(2410.15,3540.15) 2408.53,3540.15 2405.18,3543.5 2358.5,3543.5 2335,3520 2335,3435 2467.5,3302.5 2467.5,2979.54 2474,2973.04 2474,2887 2575,2786 2575,2715 2740.34,2549.66 2767.38,2549.66 v1(2768.34,2548.7)
  Bottom Layer w10: v1(2410.15,3540.15) 2411.77,3540.15 2414.77,3537.15 2416.69,3537.15 2441.68,3512.16 2455.41,3512.16 2480.2,3512.16 U12.2@2482.04,3510.31 ; U5.7@2738.15,2549.53 2747.83,2549.53 2747.91,2549.45 2767.59,2549.45 v1(2768.34,2548.7)
FTDI_NRST: R42.2 R73.2 | length 2208.5
  Int6 (Sign) w5: v1(2405.23,3694.77) 2348.77,3694.77 2283.5,3629.5 2283.5,3353.46 2285.5,3351.46 2285.5,3143.65 2291.15,3138 2291.15,3121.84 2279.73,3110.42 2264.5,3110.42 2242.5,3088.42 2242.5,2982.66 2198.5,2938.66 2198.5,2819.42 2233.5,2784.42 2233.5,2543.48 2230,2539.98 2230,2430 2246.88,2413.12 2332.14,2413.12 2343.97,2424.95 2356.81,2424.95 2385.53,2396.23 2484.71,2396.23 2488.48,2400 2570,2400 2616.23,2353.77 2616.23,2233.77 2638.19,2211.81 2685.76,2211.81 2729.13,2255.19 v1(2779.69,2255.19)
  Bottom Layer w5: v1(2779.69,2255.19) 2779.69,2262.15 R42.2@2779.68,2280
  Bottom Layer w8: v1(2405.23,3694.77) 2406.76,3693.24 2406.76,3671.56 R73.2@2409.54,3668.78
FTDI_P: U5.8 U12.3 | length 1403.2
  Int1 (Sign) w10: v1(2425,3555) 2423.38,3555 2420.38,3558 2417.76,3558 2416.26,3559.5 2351.87,3559.5 2319,3526.63 2319,3428.37 2451.5,3295.87 2451.5,2972.92 2458,2966.42 2458,2880.37 2559,2779.37 2559,2708.37 2738.67,2528.71 2759.94,2528.71 v1(2761.09,2527.56)
  Bottom Layer w10: v1@2428,3548.46 2448.31,3528.16 2462.04,3528.16 2480.19,3528.16 U12.3@2482.04,3530 ; U5.8@2738.15,2529.84 2738.23,2529.76 2747.91,2529.76 2748.97,2528.71 2759.94,2528.71 v1(2761.09,2527.56)